# Allegro board zp-dic_pda_8ch_board_v001_166_20241018_1809.brd (continued)
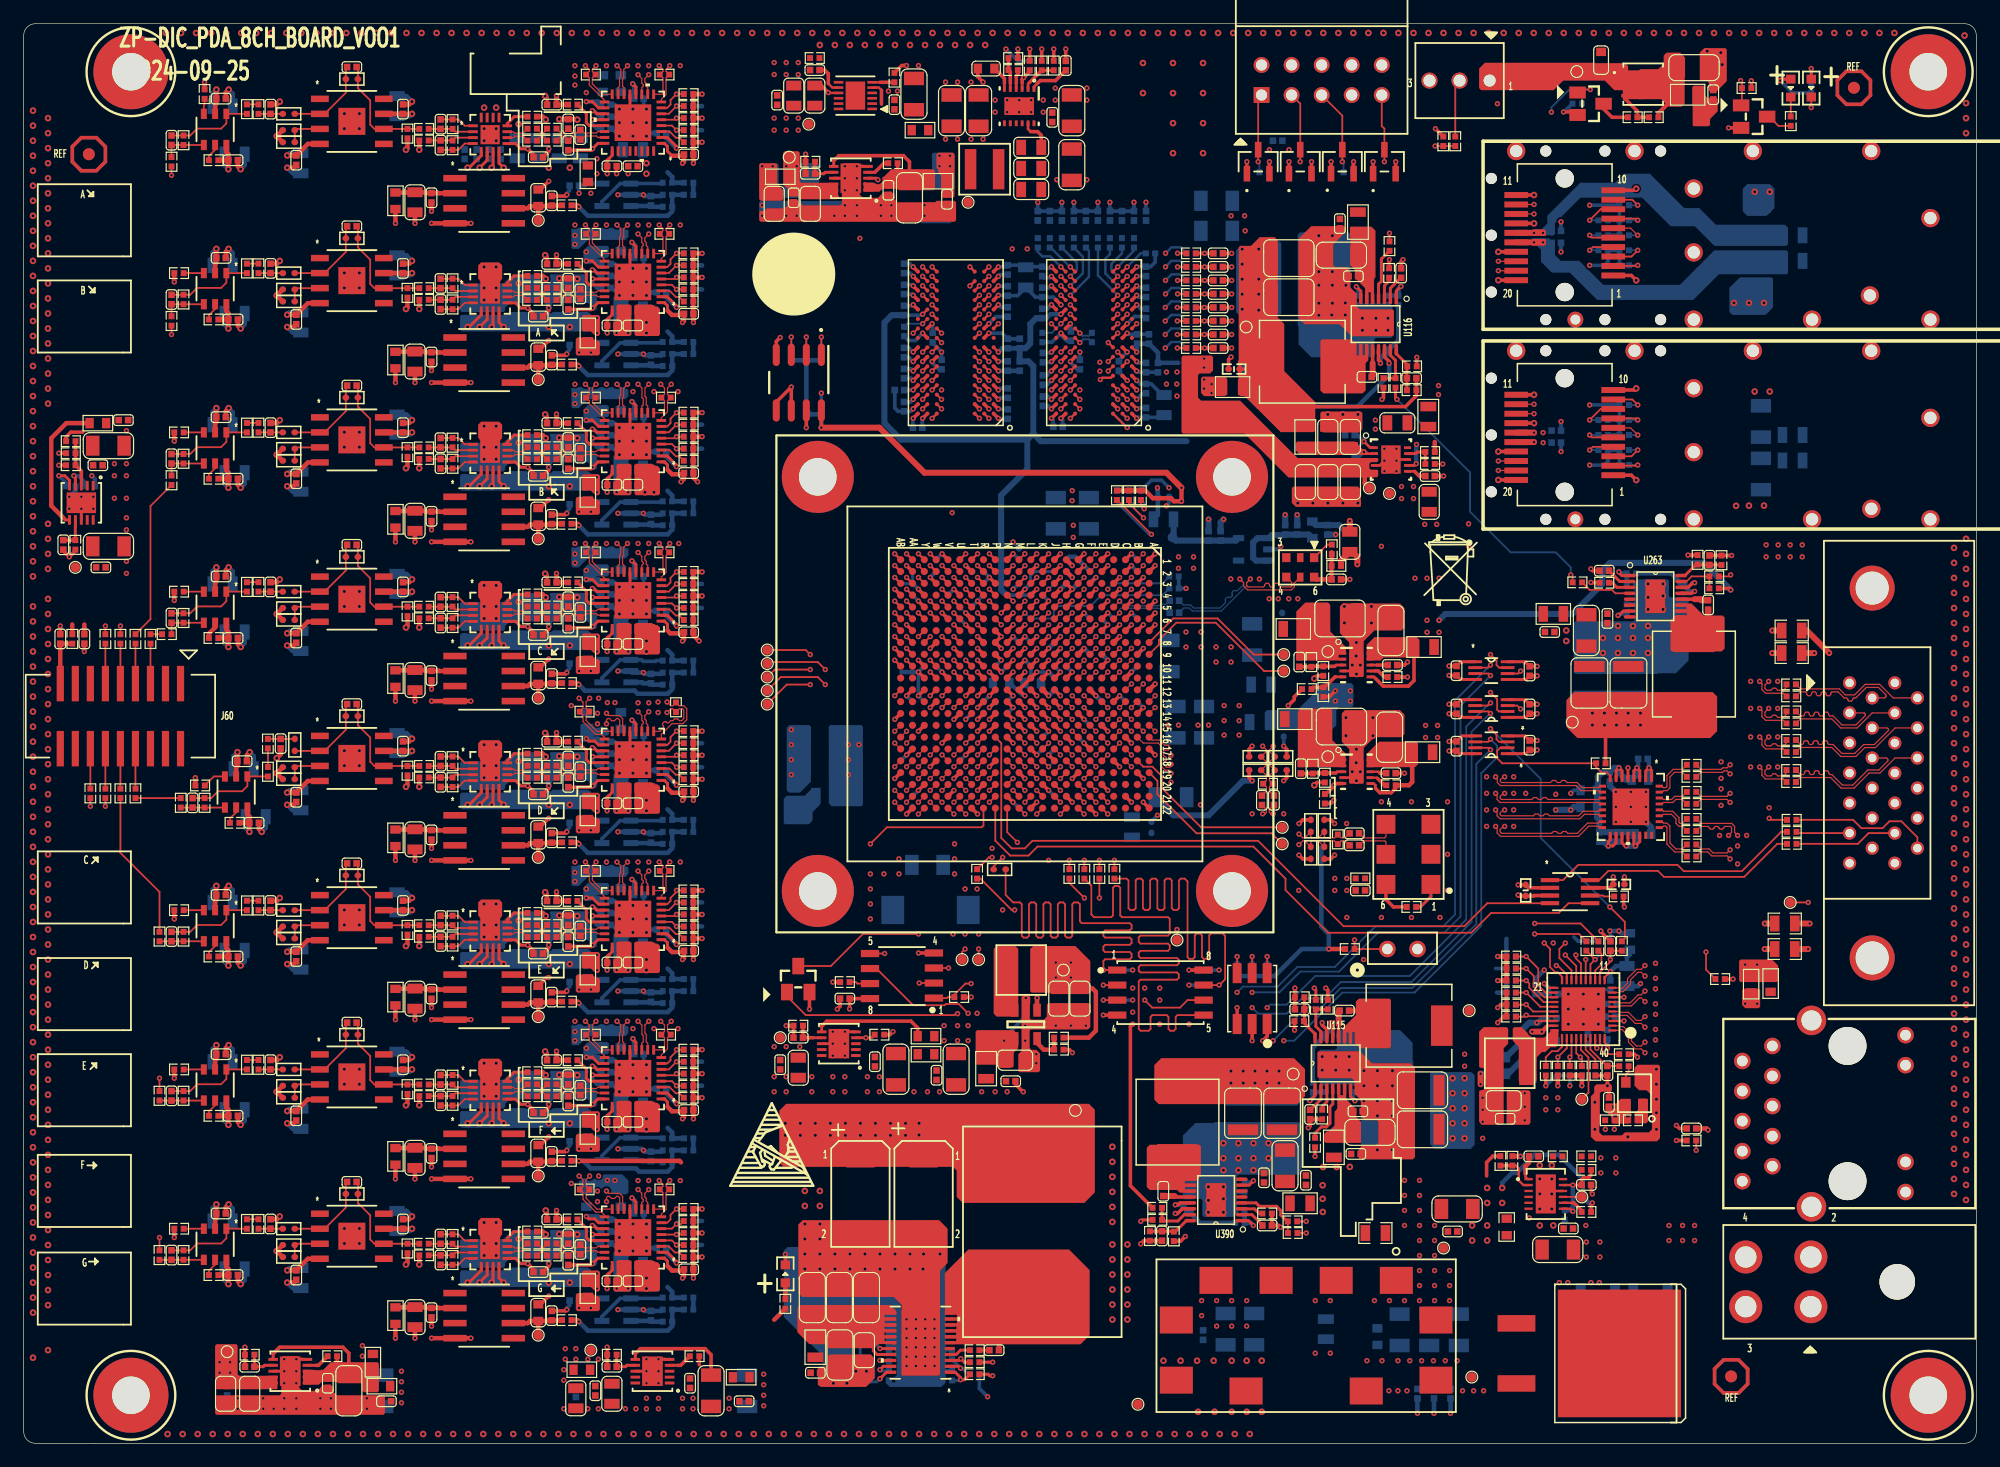
[diagram p0: board, top side]
## Routing (per net, layer and track width the routed paths; a pad name or vN(x,y) marks a point on that pad's centre or on a via; arc(x,y) is an arc through that point) (continued)
TIMING_SPI_MOSI_N: length 68.5
  TOP w0.102: U1.C10 v1(93.6,66.19) ; R2222.2 148.7,63.4 147.19,63.4 146.88,63.7 146.88,64.2 146.89,64.21 v1(146.69,64.41)
  ART08 w0.102: v1(146.69,64.41) 146.82,64.54 146.82,68.3 141.48,73.63 140.37,73.63 138.82,75.18 123.36,75.18 118.02,69.84 105.32,69.84 103.22,67.74 96.44,67.74 95.25,66.55 94.81,66.55 94.76,66.59 93.31,66.59 93.21,66.48 93.21,66.29 93.31,66.19 v1(93.6,66.19)
TIMING_SPI_MOSI_P: length 69.6
  TOP w0.102: R2221.2 148.96,63.92 148.69,63.65 148.22,63.65 148.04,63.83 147.81,63.83 147.64,63.65 147.29,63.65 147.14,63.81 147.14,64.09 v1(147.45,64.41) ; U1.D10 v1(92.6,66.19)
  ART08 w0.102: v1(147.45,64.41) 147.23,64.63 147.23,68.46 141.65,74.04 140.53,74.04 138.98,75.59 123.2,75.59 117.85,70.24 105.15,70.24 103.05,68.15 96.27,68.15 95.08,66.95 94.95,66.95 94.79,66.79 93.23,66.79 93,66.57 93,66.29 92.9,66.19 v1(92.6,66.19)
TIMING_SYNC_REFCLK_N: length 28.2
  TOP w0.102: v1(104.69,58.93) 105.01,58.61 105.01,58.48 R2207.1 105.01,57.59 105.01,57.34 R2205.2 105.01,56.45 105.01,56.03 R2127.2 105.01,55.48 105.01,55.14 C939.2 ; U1.D11 v1(92.6,65.19)
  ART03 w0.102: v1(92.6,65.19) 92.18,65.19 92.08,65.29 92.08,65.49 92.18,65.59 95.85,65.59 95.95,65.49 97.2,65.49 98.18,66.47 98.51,66.47 98.61,66.37 98.61,66.29 98.71,66.19 98.92,66.19 99.02,66.29 99.02,66.37 99.12,66.47 99.32,66.47 99.43,66.37 99.43,66.29 99.53,66.19 99.73,66.19 99.83,66.29 99.83,66.37 99.93,66.47 102.8,66.47 103.12,66.16 103.12,66.01 103.06,65.96 103.06,65.82 103.21,65.67 103.35,65.67 103.4,65.73 103.55,65.73 103.69,65.58 103.69,65.44 103.64,65.39 103.64,65.24 103.78,65.1 103.93,65.1 103.98,65.15 104.12,65.15 104.27,65.01 104.27,64.86 104.23,64.82 104.23,64.68 104.37,64.54 104.51,64.54 104.55,64.57 104.7,64.57 104.94,64.33 104.94,59.17 v1(104.69,58.93)
TIMING_SYNC_REFCLK_P: length 27.4
  TOP w0.102: v1(105.58,58.93) 105.27,58.61 105.27,58.48 R2206.1 105.27,57.59 105.27,57.34 R2204.2 105.27,56.45 105.27,56.03 R2127.1 105.27,55.48 105.27,55.14 C940.2 ; U1.E11 v1(91.6,65.19)
  ART03 w0.102: v1(91.6,65.19) 91.77,65.19 91.88,65.29 91.88,65.57 92.1,65.79 95.85,65.79 95.95,65.9 97.03,65.9 98.01,66.88 102.97,66.88 105.34,64.5 105.34,59.17 v1(105.58,58.93)
TMP75_ALERT: length 77.9
  TOP w0.152: U79.3 v1(64.86,93.51) ; U1.P21 v1(81.6,54.19)
  ART06 w0.114: v1(78.53,43.05) 75.48,46.1 71.55,46.1 70.91,46.74 70.91,47.07 67.52,50.47 64.85,50.47 62.81,52.51 62.81,91.46 v1(64.86,93.51)
  ART08 w0.102: v1(81.6,54.19) 81.62,54.19 82.06,53.75 82.06,52.22 79.93,50.09 79.93,48.01 78.53,46.61 v1(78.53,43.05)
  BOTTOM w0.152: R501.2 v1(64.86,93.51)
TMP75_IIC_SCL: length 73.3
  TOP w0.152: U1.P17 v1(81.6,58.19) ; U79.2 v1(66.13,93.51)
  ART06 w0.114: v1(66.13,93.51) 63.23,90.61 63.23,52.68 65.02,50.89 67.69,50.89 70.96,47.63 72.2,47.63 72.31,47.74 72.31,47.75 v1(72.69,48.13)
  ART08 w0.102: v1(81.6,58.19) 81.6,58.19 81,57.59 78.34,57.59 78.21,57.46 78.21,53.85 77.95,53.59 77.36,53.59 77.11,53.34 77.11,51.76 74.06,48.72 73.28,48.72 v1(72.69,48.13)
  BOTTOM w0.152: R500.2 v1(66.13,93.51)
TMP75_IIC_SDA: length 71.9
  TOP w0.152: U1.R17 v1(80.6,58.19) ; U79.1 v1(67.4,93.51)
  ART06 w0.114: v1(71.55,48.13) 71.04,48.13 67.86,51.31 65.2,51.31 63.65,52.86 63.65,90.27 64.94,91.57 65.46,91.57 v1(67.4,93.51)
  ART08 w0.102: v1(80.6,58.19) 80.6,58.08 80.32,57.8 78.25,57.8 78,57.55 78,53.95 77.85,53.8 77.19,53.8 76.83,53.44 76.83,52.15 74.65,49.96 73.38,49.96 v1(71.55,48.13)
  BOTTOM w0.152: R499.2 v1(67.4,93.51)
VREG: length 16.9
  TOP w0.254: U113.18 v1(72.36,8.01) ; R1041.1 v1(81.88,6.86)
  ART08 w0.102: v1(81.88,6.86) 80.95,6.86 79.93,5.84 74.52,5.84 v1(72.36,8.01)
  BOTTOM w0.254: v1(72.36,8.01) 72.16,8.2 C1158.1 71.47,8.89 70.69,8.11 R1050.1
VRN_33: length 1.4
  TOP w0.381: U1.T6 v1(79.6,70.19)
  BOTTOM w0.152: v1(79.6,70.19) 79.1,70.69 R2140.2
VRN_34: length 1.4
  TOP w0.152: U1.K4 v1(86.6,72.19)
  BOTTOM w0.152: v1(86.6,72.19) 87.1,72.68 R2142.2
VRP_33: length 1.4
  TOP w0.152: U1.T14 v1(79.6,61.19)
  BOTTOM w0.356: v1(79.6,61.19) 79.61,61.19 R2141.1
VRP_34: length 1.4
  TOP w0.152: U1.V5 v1(77.6,71.19)
  BOTTOM w0.152: v1(77.6,71.19) 78.11,70.69 R2143.1
VTTDDR: length 13.5
  TOP w0.305: R467.1 v1(99.79,100.58) C525.1 ; R484.1 v1(99.77,93.73) C553.1 ; R479.1 v1(99.79,97.16) C551.1 ; C554.1 v1(99.77,94.87) R476.1 ; R482.1 v1(99.79,92.58) C522.1 ; R463.1 v1(99.79,98.3) C550.1 ; C555.1 v1(99.77,96.01) R478.1 ; C546.1 v1(99.79,99.44) R465.1
  TOP w0.381: TP48.1 113.32,81.14 113.32,82.16
  vias: v1(99.74,91.69) v1(99.74,90.93)
VTTVREF: length 90.9
  TOP w0.203: U75.M8 v1(75.96,95.44) ; U75.H1 v1(82.36,92.24) ; U76.H1 v1(94.05,92.24)
  TOP w0.229: 117.53,82.16 U23.6
  TOP w0.305: U76.M8 v1(87.65,95.44) ; U1.L4 v1(85.6,72.19) ; U1.Y4 v1(75.6,72.19) ; U1.Y11 v1(75.6,65.19) ; C97.1 117.92,81.76 117.53,82.16 ; U1.Y12 v1(75.6,63.19)
  BOTTOM w0.254: 75.11,73.78 C492.1 74.36,72.66
  BOTTOM w0.305: 82.85,71.88 83.04,71.69 C491.1 85.13,71.72 v1(85.6,72.19) ; C462.1 76.08,62.72 v1(75.6,63.19) v1(75.6,65.19) 76.11,65.7 C463.1 ; v1(75.96,95.44) 75.88,95.36 C507.1 ; C492.1 75.13,72.66 v1(75.6,72.19)
  BOTTOM w0.381: v1(87.65,95.44) 86.77,95.44 86.43,95.1 C563.1 ; v1(82.36,92.24) 82.68,92.56 C506.1 C520.1 ; 97.56,91.33 C544.2 95.85,92.18 C545.1 C573.1 94.07,92.27 v1(94.05,92.24) ; v1(75.6,65.19) 74.17,65.19
  BOTTOM w0.508: 84.8,84.84 84.8,82.34 82.6,80.14 82.6,72.14 82.85,71.88 ; 84.8,84.84 85.31,85.34 ; 84.8,84.84 74.13,84.84 72.74,86.23 72.74,94.74 73.35,95.36 C507.1 ; 85.31,85.34 85.31,91.06 84.91,91.46 C187.2 C520.1 84.66,92.56 85.06,92.96 85.06,94.62 85.55,95.1 C563.1 ; 85.31,85.34 85.95,84.71 98.26,84.71
  vias: v1(116.43,80.87) v1(116.43,79.86) v1(117.44,80.87) v1(117.44,79.86)
XADC_AGND: length 7
  TOP w0.305: v1(84.6,63.19) U1.M12 U1.L11 v1(85.6,65.19) ; U1.K11 v1(86.6,65.19)
  BOTTOM w0.305: L3.2 83.36,64.26 84.37,63.25 84.55,63.25 v1(84.6,63.19) ; v1(85.6,65.19) v1(86.6,65.19)
  BOTTOM w0.381: v1(86.6,65.19) 87.1,64.69 C2.2
XADC_VCC: length 2.8
  TOP w0.381: U1.K12 v1(86.6,63.19)
  BOTTOM w0.381: C2.1 87.1,63.69 v1(86.6,63.19) 85.96,63.83 L5.1
$7N830: length 2.3
  TOP w0.152: Q15.3 147.49,112.14 148.28,111.36 R396.1
$7N832: length 1.6
  TOP w0.152: R396.2 DS10.2
$45N24: length 4.1
  TOP w0.229: v1(113.25,84.68) 113.77,84.16 U23.1
  BOTTOM w0.254: R221.2 112.79,84.22 v1(113.25,84.68)
  BOTTOM w0.305: R219.1 C271.1 112.72,85.22 v1(113.25,84.68)
$45N300: length 180.2
  TOP w0.152: v1(75.61,43.05) 70.91,43.05 68.2,40.34 Q10.3 ; DS18.2 v1(151.05,112.9)
  ART03 w0.102: v1(151.05,112.9) 150.8,113.16 127.81,113.16 123.11,108.46 123.11,61.6 123.62,61.09 124.76,61.09 128.85,57 128.85,46.51 124,41.66 124,40.26 122.73,38.99 122.73,32.85 v1(121.76,31.88)
  ART08 w0.102: v1(121.76,31.88) 121.76,31.6 121.66,31.5 120.44,31.5 119.9,30.96 109.14,30.96 107.52,32.58 93.1,32.58 92.1,33.58 78.61,33.58 78.41,33.78 78.41,38.48 77.07,39.81 77.07,41.59 v1(75.61,43.05)
$45N301: length 2.1
  TOP w0.254: DS18.1 v1(151.05,116.21)
  BOTTOM w0.254: v1(151.05,116.21) R87.2
N319534: length 2.2
  TOP w0.152: U75.L8 v1(75.96,94.64)
  BOTTOM w0.152: R458.1 74.65,94.64 v1(75.96,94.64)
N335210: length 2.5
  TOP w0.152: U76.L8 v1(87.65,94.64)
  BOTTOM w0.152: v1(87.65,94.64) 86.88,93.87 R490.1
N576871: length 2.9
  TOP w0.152: P3.4 132.6,101.12 v1(132.32,100.84)
  BOTTOM w0.152: R517.2 v1(132.32,100.84)
N577021: length 3
  TOP w0.152: v1(136.39,104.65) 135.93,105.12 P3.9
  BOTTOM w0.152: R391.2 v1(136.39,104.65)
N577039: length 2.9
  TOP w0.152: v1(136.39,103.38) 136.26,103.52 P3.7
  BOTTOM w0.152: R392.2 v1(136.39,103.38)
N577057: length 3.1
  TOP w0.102: P3.6 135.79,102.72 v1(136.39,102.11)
  BOTTOM w0.152: R13.2 v1(136.39,102.11)
N577143: length 2.8
  TOP w0.152: v1(136.39,99.57) 136.33,99.52 P3.2
  BOTTOM w0.152: R11.2 v1(136.39,99.57)
N594453: length 2.8
  TOP w0.152: P3.5 132.52,101.92 v1(132.32,102.11)
  BOTTOM w0.152: R516.2 v1(132.32,102.11)
N1143708: length 1.5
  TOP w0.152: U94.3 135.39,31.15 135.62,31.39 R858.1
N1146237: length 7.4
  TOP w0.381: v1(142.33,26.49) 142.2,26.62 C3011.2
  ART08 w0.508: v1(142.33,26.49) 142.33,23.7 143.86,22.16 J6.1
N16645850:
  vias: v1(109.14,12.07) v1(110.41,12.07)
N16650422:
  vias: v1(129.76,13.59) v1(130.48,13.59) v1(132.43,13.59) v1(133.14,13.59)
N16650464: length 7.4
  TOP w0.203: v1(130.9,19.61) 130.68,19.83 U112.7 ; U112.11 v1(130.9,21.83)
  TOP w0.254: R1039.2 132.45,22.63 132.29,22.48 131.8,22.48 131.65,22.33 C1146.2 131.63,21.83 v1(130.9,21.83)
  BOTTOM w0.381: v1(130.9,21.83) v1(130.9,19.61) 130.81,19.7 R1038.2
N16650588: length 2
  TOP w0.203: U112.8 130.87,20.33 130.88,20.32
  TOP w0.305: 130.88,20.32 131.01,20.32 131.65,19.69 R1033.2
N16650778: length 2.2
  TOP w0.203: U112.1 127.11,22.33 126.9,22.54 126.9,22.8
  TOP w0.381: 126.9,22.8 126.9,23.43 127.2,23.73 C1151.1
N16650844: length 3.7
  TOP w0.203: U112.2 126.72,21.83 126.33,22.23 126.33,23.22 126.08,23.48
  TOP w0.254: R1063.1 126.08,23.48
  TOP w0.305: R1063.1 R1040.2
N16650852: length 1.6
  TOP w0.152: TP40.1 131.66,20.83 U112.9
N16671344: length 2
  TOP w0.254: U113.19 72.11,7.51 71.8,7.82 71.8,8.18
N16672317: length 1.7
  TOP w0.254: U113.20 v1(72.36,7.01)
  BOTTOM w0.254: v1(72.36,7.01) 72.4,6.97 R1044.2
N16672324: length 1.9
  TOP w0.254: U113.21 72.64,6.51 v1(72.36,6.22)
  BOTTOM w0.254: v1(72.36,6.22) 72.46,6.12 R1043.2
N16672331: length 4
  TOP w0.254: U113.22 72.9,6.01 v1(72.36,5.46)
  BOTTOM w0.254: R1050.2 71.82,6.52 71.82,5.67 R1042.2 71.61,5.21 72.1,5.21 v1(72.36,5.46)
N16672704: length 0.7
  TOP w0.381: C1159.1 82.41,8.6
N16673248: length 3
  TOP w0.254: R1047.1 79.49,5.38 v1(79.16,5.38) 79.16,5.56 78.72,6.01 U113.1
  BOTTOM w0.254: R1046.2 79.1,5.31 v1(79.16,5.38)
N16673267: length 1.8
  TOP w0.254: U113.4 78.79,7.51 79.16,7.87 R1049.1
N16673329: length 0.9
  TOP w0.254: R1049.2 C1159.2
N16673629: length 3
  TOP w0.254: v1(79.16,6.35) 79.01,6.51 U113.2
  BOTTOM w0.254: R1045.2 79.83,5.84 79.32,6.35 v1(79.16,6.35) 79.16,6.38 R1048.1
N16716359: length 4.4
  TOP w0.254: U116.4 114.49,97.98 114.73,98.23 114.73,100.11 R1067.2
N16716559: length 6.8
  TOP w0.305: U116.13 114.49,91.56 114.62,91.43 114.62,91.32 v1(114.65,91.29)
  BOTTOM w0.381: v1(114.65,91.29) 114.65,91.73 C1189.1 116.17,93.25 R1071.2
N16716571: length 2.1
  TOP w0.254: C1190.1 116.37,98.52 115.49,97.64 U116.2
N16716663: length 3
  TOP w0.254: U116.1 115.99,97.4 v1(116.38,97.79)
  BOTTOM w0.381: v1(116.38,97.79) 116.17,97.58 R1071.1 R1070.2
N16716707: length 2.3
  TOP w0.305: 113.99,91.3 U116.12
  TOP w0.508: C1191.2 113.99,90.23 113.99,91.3
N16716803: length 3.8
  TOP w0.254: R1072.1 C1192.1 116.88,91 R1073.1 116.91,91.18 115.99,92.11 U116.16
N16717075: length 1.9
  TOP w0.254: R1068.1 115.38,98.24 114.99,97.85 U116.3
N16718397: length 3.6
  TOP w0.254: R1074.2 R1075.2 115.92,91.54 115.49,91.97 U116.15
N16720636: length 1
  BOTTOM w0.254: v1(113.25,83.79) 112.88,83.42 R221.1
N16720676: length 3.3
  TOP w0.229: U23.7 117.53,82.66 v1(117.67,82.8)
  TOP w0.381: R3010.1 119.24,84.65
  BOTTOM w0.381: v1(117.7,84.43) 117.67,84.4 v1(117.67,82.8)
N16721374: length 2.6
  TOP w0.254: U23.9 117.62,83.66 117.75,83.79 R3010.2 R3011.1
N17765267: length 1.9
  TOP w0.254: U116.7 112.99,97.39 v1(112.62,97.76)
  BOTTOM w0.305: R1069.2 112.74,97.64 v1(112.62,97.76)
N21090058: length 3.3
  TOP w0.305: U103.6 115.11,45.97 115.74,45.34 R984.2
N21090105: length 2.6
  TOP w0.254: U103.1 118.91,46.22 118.03,45.34 R984.1
N21330124: length 4.9
  TOP w0.152: J61.2 120.97,114.83 R1929.1
N21624044: length 7.9
  TOP w0.254: 54.4,68.71 54.4,69.24 54.15,69.5 U366.1 ; v1(48.05,72.26) 48.18,72.26 48.45,72 U366.19 ; v1(48.07,71.51) 48.08,71.5 U366.20
  TOP w0.381: v1(55.67,67.82) 55.79,67.94 C3274.2 55.6,68.55 55.51,68.47 54.64,68.47 54.4,68.71
  BOTTOM w0.305: C3272.2 48.67,71.76 48.16,72.26 v1(48.05,72.26) ; C3273.2 48.43,70.74 48.07,71.11 v1(48.07,71.51)
  vias: v1(48.43,68.2) v1(48.43,66.93)
N21624153: length 8.6
  TOP w0.254: U366.2 54.38,70 55.16,69.22 v1(55.16,69.09) ; U366.25 49.73,68.48 49.45,68.2 ; U366.18 48.58,72.5 48.05,73.03 v1(47.54,73.03)
  TOP w0.305: 49.45,68.2 49.3,68.05 C3277.2 v1(49.3,66.93)
  BOTTOM w0.381: C3275.2 54.3,69.96 v1(55.16,69.09) ; v1(47.54,73.03) 48.54,73.03 C3276.2
  vias: v1(47.54,73.79)
N21859607:
  vias: v1(145.46,37.16) v1(146.48,37.16)
N21904635: length 17.2
  TOP w0.305: R835.2 v1(144.45,39.24)
  ART03 w0.305: v1(144.45,39.24) 154.28,39.24 J6.14
N21907439: length 6.9
  TOP w0.2: v1(127.86,35.56) 128,35.7 U93.28
  BOTTOM w0.508: C847.1 128.36,35.94 127.98,35.56 v1(127.86,35.56) 127.22,35.56 126.42,34.76 C846.1 126.42,33.8 L245.2
N21907473: length 4.6
  TOP w0.152: R853.1 C3012.1 v1(134.08,40.89) 134.08,40.72 133.19,39.83 U93.12
  BOTTOM w0.152: C3012.1 v1(134.08,40.89)
N21907487: length 17.8
  ART03 w0.305: v1(128.49,40.01) 129.13,39.37 129.13,33.96 128.06,32.89 128.06,29.59 127.49,29.02 123.47,29.02 v1(123.28,29.21)
  BOTTOM w0.381: v1(128.49,40.01) 127.73,39.24 R2048.2
  vias: v1(123.28,28.19) v1(123.28,27.18)
N21907526: length 3.2
  TOP w0.2: v1(128.49,38.86) 128.85,38.5 U93.21
  BOTTOM w0.381: R2048.1 128.83,37.95 C855.1 128.85,38.5 v1(128.49,38.86)
N21907530: length 2.9
  TOP w0.191: U93.38 132.79,33.54 v1(132.94,33.4) ; U93.3 v1(135.22,35.7) ; U93.8 v1(135.22,37.7)
N21907545: length 13.2
  TOP w0.191: U93.11 133.59,39.39 v1(134.08,39.88) ; v1(133.84,33.4) 133.82,33.41 133.82,33.66 133.59,33.89 U93.40
  ART03 w0.508: v1(134.08,39.88) 134.33,39.62 134.33,33.91 133.84,33.41 v1(133.84,33.4)
  BOTTOM w0.381: v1(133.84,33.4) 133.82,33.41 C842.1 ; L243.2 135.73,41.32 135.47,41.07 C841.1 134.55,40.35 v1(134.08,39.88) C851.1
N21908077: length 2.7
  TOP w0.152: U93.36 131.99,33.28 132.81,32.46 R844.2
N21908106: length 4.6
  TOP w0.2: U93.29 128.79,35.3 128.67,35.18
  TOP w0.381: v1(128.29,34.8) 128.67,35.18
  TOP w0.508: v1(127.47,34.8) v1(128.29,34.8)
  BOTTOM w0.508: C850.1 126.8,32.6 125.44,31.24 L244.2
N21908110: length 3.2
  TOP w0.152: R2251.1 128.62,32.64 129.13,33.15 129.61,33.15 129.99,33.53 U93.31
N21908185: length 5.7
  TOP w0.152: U93.35 131.59,33.25 132.22,32.62 132.22,29.64 TP20.1
N21908350: length 3.8
  TOP w0.152: R855.1 v1(132.79,40.89) 132.39,40.5 U93.14
  BOTTOM w0.152: v1(132.79,40.89) 133.06,41.17 R2247.1
N21908430: length 2.8
  TOP w0.152: U93.13 132.79,39.96 133.32,40.49 133.32,41.38 R854.1
N21908573: length 2.7
  TOP w0.152: U93.39 133.19,33.78 133.37,33.6 133.37,33.22 133.7,32.89 R845.1
N21912553: length 1.4
  TOP w0.381: R2050.2 DS24.1
N22238566: length 9.7
  TOP w0.229: 67.43,35.26 U129.6
  TOP w0.305: L394.2 75.55,35.12 74.98,35.69 67.86,35.69 67.43,35.26
N22251669: length 5
  TOP w0.254: U115.4 110.62,28.69 110.38,28.45 110.38,27.05 110.08,26.75 109.65,26.75 109.12,26.22 R1059.2
N22251767: length 7
  TOP w0.305: v1(110.46,35.56) 110.46,35.32 110.62,35.16 U115.13
  BOTTOM w0.381: v1(110.46,35.56) 110.46,34.99 C1175.1 108.93,33.47 R1061.2
N22251781: length 2.1
  TOP w0.254: C1176.1 108.73,28.2 109.62,29.08 U115.2
N22251829: length 3
  TOP w0.254: U115.1 109.12,29.39 v1(108.68,28.96)
  BOTTOM w0.381: R1064.2 R1061.1 108.93,29.21 v1(108.68,28.96)
N22251845: length 0.8
  TOP w0.381: C1179.1 112.82,36.58
N22251853: length 2.3
  TOP w0.305: 111.12,35.42 U115.12
  TOP w0.508: C1179.2 111.12,36.49 111.12,35.42
N22251889: length 1.9
  TOP w0.254: v1(112.49,28.96) 112.12,29.33 U115.7
  BOTTOM w0.305: R1066.2 112.36,29.08 v1(112.49,28.96)
N22251891: length 3.8
  TOP w0.254: U115.16 109.12,34.61 108.19,35.54 R1089.1 108.22,35.72 C1180.1 R1057.1
N22252042: length 1.9
  TOP w0.254: U115.3 110.12,28.87 109.73,28.48 R1065.1
N22252096: length 3.6
  TOP w0.254: U115.15 109.62,34.81 109.19,35.24 R1060.2 R1058.2
N22256857: length 4.4
  TOP w0.152: U263.4 134.5,71.85 134.21,72.14 132.32,72.14 R1077.2
N22256931: length 6.8
  TOP w0.305: U263.13 140.92,71.85 141.05,71.98 141.16,71.98 v1(141.19,72.01)
  BOTTOM w0.381: R1079.2 139.23,73.54 C1202.1 140.75,72.01 v1(141.19,72.01)
N22256969: length 2.1
  TOP w0.254: U263.2 134.87,72.85 C1203.1
N22257017: length 2.8
  TOP w0.254: U263.1 135.05,73.35 134.79,73.61 v1(134.79,73.66)
  BOTTOM w0.381: R1080.2 R1079.1 134.92,73.54 v1(134.79,73.66)
N22257033: length 0.7
  TOP w0.508: C1206.1 142.34,69.8
N22257041: length 2.3
  TOP w0.305: 141.18,71.35 U263.12
  TOP w0.508: C1206.2 141.76,71.27 141.67,71.35 141.18,71.35
N22257067: length 3.8
  TOP w0.254: R1085.1 C1207.1 141.48,74.25 R1086.1 141.3,74.28 140.37,73.35 U263.16
N22257227: length 1.9
  TOP w0.254: R1083.1 134.24,72.74 134.63,72.35 U263.3
N22257272: length 3.6
  TOP w0.152: U263.15 140.51,72.85 140.94,73.28 R1078.2 R1076.2
N22390089: length 5.9
  TOP w0.229: U118.6 114.08,55.77 114.22,55.63 114.22,55.37
  TOP w0.305: R1101.1 115.94,55.37 115.56,54.99 114.6,54.99 114.22,55.37
  TOP w0.381: R1101.1 117.06,55.63 117.33,55.9 117.33,57.26
N22390861: length 1.4
  TOP w0.203: U118.8 114.47,56.77 114.6,56.64
  TOP w0.305: 114.6,56.64 C1208.2
N22391236: length 3.6
  TOP w0.229: U118.3 111,56.77 110.89,56.66
  TOP w0.305: C1216.1 R1098.1 108.97,56.66 R1091.1 110.89,56.66
N22401678: length 3.7
  TOP w0.229: U119.3 110.9,65.79 110.79,65.68
  TOP w0.305: C1234.1 R1113.1 108.84,65.68 R1114.1 110.79,65.68
N22401694: length 3.1
  TOP w0.229: U119.5 110.86,64.79
  TOP w0.305: R1116.1 108.97,63.9 R1112.2 109.92,63.9 110.81,64.79 110.86,64.79
N22401706: length 7.1
  TOP w0.229: 114.22,64.66 114.1,64.79 U119.6
  TOP w0.305: 114.22,64.66 114.88,64.01 117.01,64.01 117.48,64.48 117.48,67.31
N22401776: length 1.5
  TOP w0.229: 114.35,65.79 U119.8
  TOP w0.305: C1231.2 114.35,65.79
N22408855: length 1.6
  TOP w0.203: U118.7 114.34,56.27 114.42,56.19
  TOP w0.305: 114.42,56.19 114.98,55.63 R1101.2
N22415812: length 1.7
  TOP w0.229: 114.18,65.29 U119.7
  TOP w0.305: 114.18,65.29 114.47,65.29 114.98,64.77 R1115.2
N22519847: length 9.4
  TOP w0.102: R2223.1 150.14,61.23 152.78,61.23 153.54,60.47 154.93,60.47 156.2,61.74 J75.16
N22519853: length 9.3
  TOP w0.102: J75.3 155.52,61.74 155.62,61.64 155.62,61.52 154.82,60.72 153.65,60.72 152.89,61.49 152.62,61.49 152.51,61.59 152.51,61.7 152.41,61.8 152.21,61.8 152.11,61.7 152.11,61.59 152.01,61.49 151.8,61.49 151.7,61.59 151.7,61.7 151.6,61.8 151.4,61.8 151.29,61.7 151.29,61.59 151.19,61.49 150.99,61.49 150.89,61.59 150.89,61.7 150.79,61.8 150.58,61.8 150.48,61.7 150.48,61.59 150.38,61.49 150.14,61.49 R2224.1
N22519875: length 11.7
  TOP w0.102: R2225.1 150.14,58.82 152.78,58.82 153.54,58.06 154.83,58.06 155.58,58.81 156.47,58.81 158.14,60.47 J75.17
N22519885: length 11.8
  TOP w0.102: R2226.1 150.14,59.07 150.3,59.07 150.4,59.17 150.4,59.28 150.5,59.39 150.71,59.39 150.81,59.28 150.81,59.17 150.91,59.07 151.11,59.07 151.21,59.17 151.21,59.28 151.32,59.39 151.52,59.39 151.62,59.28 151.62,59.17 151.72,59.07 151.93,59.07 152.03,59.17 152.03,59.28 152.13,59.39 152.33,59.39 152.43,59.28 152.43,59.17 152.54,59.07 152.89,59.07 153.65,58.31 154.72,58.31 155.47,59.06 156.37,59.06 157.58,60.27 157.58,60.37 157.47,60.47 J75.4
N22519963: length 11.5
  TOP w0.102: J75.15 157.97,63.01 156.83,64.15 155.6,64.15 154.71,63.26 153.93,63.26 153.42,63.77 150.14,63.77 R2221.1
N22519965: length 11.5
  TOP w0.102: R2222.1 150.14,63.52 150.57,63.52 150.67,63.42 150.67,63.3 150.77,63.2 150.97,63.2 151.08,63.3 151.08,63.42 151.18,63.52 151.38,63.52 151.48,63.42 151.48,63.3 151.58,63.2 151.79,63.2 151.89,63.3 151.89,63.42 151.99,63.52 152.19,63.52 152.3,63.42 152.3,63.3 152.4,63.2 152.6,63.2 152.7,63.3 152.7,63.42 152.8,63.52 153.32,63.52 153.83,63.01 154.03,63.01 154.14,62.91 154.14,62.84 154.24,62.74 154.44,62.74 154.54,62.84 154.54,62.91 154.64,63.01 154.82,63.01 155.71,63.9 156.73,63.9 157.37,63.26 157.37,63.11 157.27,63.01 J75.2
N22520015: length 11.8
  TOP w0.102: R2227.1 150.14,56.28 152.68,56.28 153.57,55.39 154.67,55.39 155.94,56.66 156.86,56.66 158.13,57.93 J75.19
N22520025: length 11.8
  TOP w0.102: J75.6 157.42,57.93 157.52,57.83 157.52,57.68 156.76,56.91 155.84,56.91 154.57,55.64 153.68,55.64 152.79,56.53 152.62,56.53 152.52,56.63 152.52,56.74 152.42,56.85 152.22,56.85 152.11,56.74 152.11,56.63 152.01,56.53 151.81,56.53 151.71,56.63 151.71,56.74 151.61,56.85 151.4,56.85 151.3,56.74 151.3,56.63 151.2,56.53 151,56.53 150.89,56.63 150.89,56.74 150.79,56.85 150.59,56.85 150.49,56.74 150.49,56.63 150.39,56.53 150.14,56.53 R2228.1
N22520500: length 4.5
  TOP w0.152: J75.11 149.91,51.58 R2125.1
N22520516: length 12.2
  TOP w0.152: J75.25 160.02,51.23 158.67,52.58 157.65,52.58 157.07,52 155.29,52 154.58,52.71 R2126.1
N22520561: length 7.8
  TOP w0.508: R2084.1 v1(150.92,43.94)
  ART08 w0.508: v1(150.92,43.94) 154.29,47.31 J75.13
N22520570: length 11.5
  TOP w0.508: R2085.1 v1(150.79,41.78)
  ART08 w0.508: J75.26 150.85,41.78 v1(150.79,41.78)
N22520917: length 9.7
  TOP w0.508: R2087.1 150.67,68.7 v1(152.57,66.8)
  ART08 w0.508: J75.14 155.59,66.8 v1(152.57,66.8)
N22520923: length 5.1
  TOP w0.508: R2086.1 v1(151.31,66.8)
  ART08 w0.508: v1(151.31,66.8) 153.83,64.28 J75.1
N22521027: length 9.6
  TOP w0.152: TP138.1 v1(150.8,45.72)
  ART08 w0.102: J75.12 153.99,50.31 152.29,48.62 152.29,47.22 v1(150.8,45.72)
N22948810: length 8.7
  TOP w0.152: R2124.1 154.99,50.67 155.89,51.58 J75.24
N22968010: length 23.6
  TOP w0.254: U271.19 135.06,50.75 135.31,50.5 v1(135.43,50.5) 135.43,50.62 135.56,50.75 U271.20 ; U271.4 136.06,56.84 v1(136.32,57.1) 136.56,56.86 U271.3 ; U271.21 136.06,50.63 v1(136.19,50.5) 136.56,50.86 U271.22 ; U271.6 135.06,56.85 134.81,57.1 v1(134.79,57.1) 134.56,56.87 U271.7
  BOTTOM w0.356: C2472.2 136.43,57.21 v1(136.32,57.1)
  BOTTOM w0.508: v1(136.32,57.1) 136.32,56.53 C2467.1 135.43,56.08 134.79,56.72 v1(134.79,57.1) 134.39,57.1 C2469.2 133.42,56.74 133.02,56.34 133.02,55.26 C2471.1 L283.2 132.95,52.9 133.14,52.71 C2473.2 C2470.2 135.98,51.66 C2468.1 136.19,51.45 v1(136.19,50.5) v1(135.43,50.5)
N22968119: length 3.7
  TOP w0.102: R2213.1 140.16,56.97 139.39,56.97 138.86,56.44 138.86,55.53 138.76,55.42 138.56,55.42 138.44,55.55 U271.32
N23032570: length 2.6
  TOP w0.229: 66.72,34.28 U129.7
  TOP w0.305: 66.72,34.28 66.35,34.28 66.34,34.29 C2477.1 R2137.1
N23032940: length 82.8
  TOP w0.229: R1150.2 71.65,34.28 v1(71.17,34.28) U129.4
  TOP w0.254: v1(72.18,106.81) 72.06,106.93 U127.3
  ART06 w0.114: v1(72.18,106.81) 71.55,106.17 71.55,103.38 62.37,94.2 62.37,47.54 71.17,38.74 v1(71.17,34.28)
N23136071: length 1.4
  TOP w0.152: U1.K18 v1(86.6,57.19)
  BOTTOM w0.152: R276.1 87.1,57.68 v1(86.6,57.19)
N23136114: length 23
  TOP w0.152: U1.J19 v1(87.6,57.19) ; TP112.1 v1(97.46,43.43)
  ART08 w0.102: v1(97.46,43.43) 92.76,48.13 87.68,48.13 87.25,48.56 87.25,50.6 86.93,50.91 86.93,53.52 87,53.59 87,56.59 v1(87.6,57.19)
N23142000: length 1.4
  TOP w0.381: v1(88.6,73.19) U1.H2
  BOTTOM w0.381: R165.1 88.6,73.19 v1(88.6,73.19)
N23143795: length 12.7
  TOP w0.152: TP116.1 62.96,66.04 67.1,66.04 v1(67.74,65.41) ; U1.AB12 v1(73.6,63.19)
  ART08 w0.102: v1(73.6,63.19) 70.59,63.19 68.37,65.41 v1(67.74,65.41)
N23143798: length 17.8
  TOP w0.152: TP133.1 66.09,67.06 v1(66.47,66.68) ; U1.V13 v1(77.6,62.19)
  ART08 w0.102: v1(66.47,66.68) 67.74,66.68 70.81,63.6 73.99,63.6 74.09,63.5 74.09,62.97 74.32,62.74 77.06,62.74 v1(77.6,62.19)
N23143801: length 23.3
  TOP w0.152: U1.V12 v1(77.6,63.19) ; v1(66.47,64.14) 64.48,64.14 TP134.1
  ART08 w0.102: v1(66.47,64.14) 68.78,61.82 74.88,61.82 75.48,61.21 77.97,61.21 78.36,61.6 78.94,61.6 79.14,61.8 79.88,61.8 80.06,61.98 80.06,62.36 79.68,62.74 79.29,62.74 78.84,63.19 v1(77.6,63.19)
N23143804: length 20
  TOP w0.152: TP135.1 63.47,65.41 v1(66.47,65.41) ; U1.T13 v1(79.6,62.19)
  ART08 w0.102: v1(66.47,65.41) 67.1,64.77 68.5,64.77 70.79,62.48 75.61,62.48 76.3,61.8 77.84,61.8 78.15,62.1 78.15,62.48 78.28,62.61 78.79,62.61 79.21,62.19 v1(79.6,62.19)
N23143807: length 18.5
  TOP w0.152: U1.U13 v1(78.6,62.19) ; TP136.1 63.97,64.77 67.1,64.77 v1(67.74,64.14)
  ART08 w0.102: v1(78.6,62.19) 78,61.59 75.99,61.59 75.99,61.6 75.48,62.1 69.77,62.1 v1(67.74,64.14)
N23147759: length 2.9
  TOP w0.152: P4.4 132.6,84.23 v1(132.32,83.96)
  BOTTOM w0.152: R2145.2 v1(132.32,83.96)
N23147768: length 3
  TOP w0.152: v1(136.39,87.77) 135.93,88.23 P4.9
  BOTTOM w0.152: R2150.2 v1(136.39,87.77)
N23147772: length 2.9
  TOP w0.152: v1(136.39,86.5) 136.26,86.63 P4.7
  BOTTOM w0.152: R2149.2 v1(136.39,86.5)
N23147776: length 3.1
  TOP w0.102: P4.6 135.79,85.83 v1(136.39,85.23)
  BOTTOM w0.152: R2148.2 v1(136.39,85.23)
N23147795: length 2.8
  TOP w0.152: P4.2 136.33,82.63 v1(136.39,82.69)
  BOTTOM w0.152: R2146.2 v1(136.39,82.69)
N23147800: length 2.8
  TOP w0.152: P4.5 132.52,85.03 v1(132.32,85.23)
  BOTTOM w0.152: R2144.2 v1(132.32,85.23)
N23169457: length 19.8
  TOP w0.381: U1.J4 v1(87.6,72.19)
  ART06 w0.254: v1(95.8,80.77) 95.42,80.77 93.39,78.74 88.44,78.74 87.12,77.42 87.12,72.68 v1(87.6,72.19)
  BOTTOM w0.381: C2482.1 88.11,72.69 v1(87.6,72.19) ; L287.1 95.84,78.48 C2483.1 95.84,80.48 95.8,80.52 v1(95.8,80.77)
N23170636: length 4
  TOP w0.356: R2121.2 110.54,75.29 110.52,75.31 L282.1 C2450.2
  TOP w0.381: C2450.2 109.24,73.03 U270.6